# Altium PCB SVEC.pcbdoc (part 5 of 18)
Units mil, origin at the board's own origin, x right, y up, seen from the top; angles counter-clockwise.
Board outline 6349.25 x 9237.04 mil, 10 copper layers (Top Layer, L2 GND, L3, L4 PWR3.3, L5, L6, L7 GND, L8, L9 PWR, Bottom Layer), stack 58.268 mil thick; 906 components, 904 nets, 4753 pads, 3116 vias.
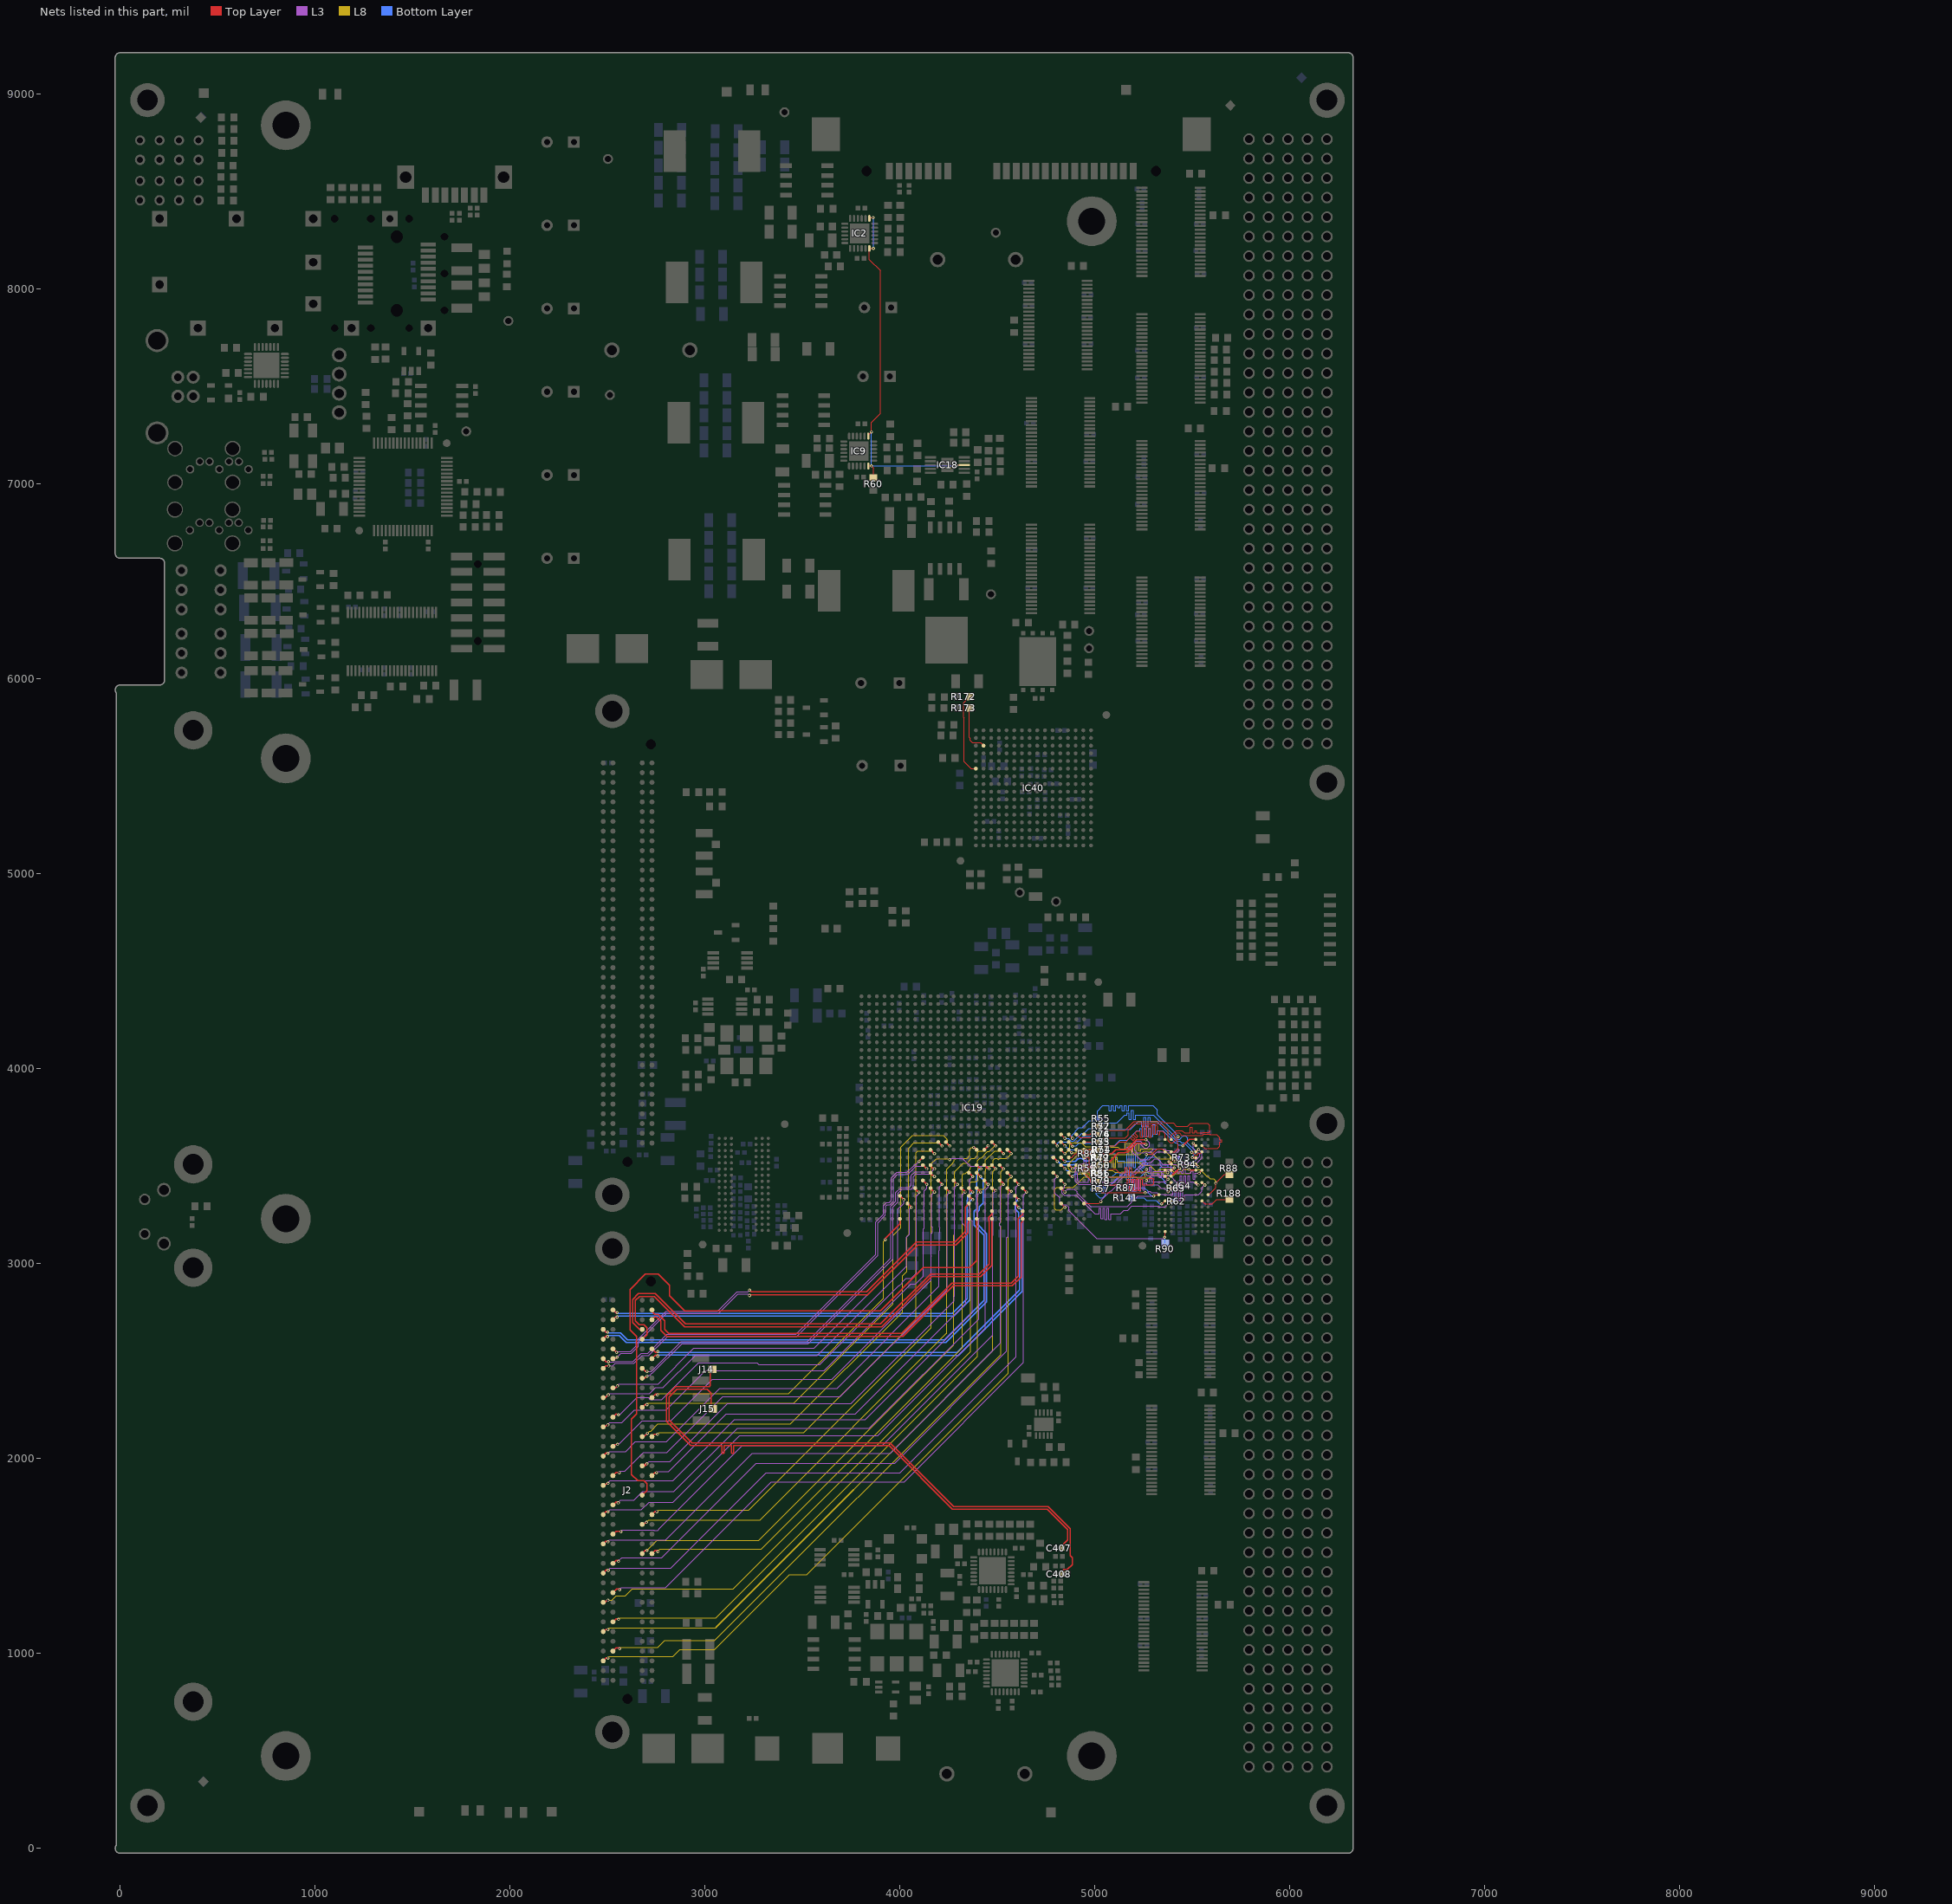
[diagram p13: the nets of this part, all layers, seen from the top]

## Via types
v1: diameter 15.75, hole 7.87, Top Layer to Bottom Layer, tented both sides, 2844 vias
v2: diameter 31.5, hole 15.75, Top Layer to Bottom Layer, tented both sides, 224 vias
v3: diameter 19.68, hole 7.87, Top Layer to Bottom Layer, tented both sides, 31 vias
v4: diameter 15.75, hole 7.87, Top Layer to Bottom Layer, 17 vias

## Nets (pads, with @x,y where several pads share a name; then routed paths per layer and width w, separated by ;. In a path a pad name is that pad's centre, name@x,y a point inside that pad or via, vN(x,y) a via of type N, cw(c..) or ccw(c..) an arc to the next point about the centre after c; other vN are vias at no path point) (continued)
DDR_CKE: IC4.K9 IC19.C4 R88.2 | length 1261.9
  Top Layer w5: IC19.C4@4826.31,3308.38 4826.31,3307.75 4845.55,3288.51 v1@4840.55,3288.51 ; IC4.K9@5580.54,3353.26 5584.31,3353.26 5619.55,3388.51 5619.55,3411.51 v1(5620.55,3412.51) 5665.06,3457.01 R88.2@5689.55,3457.01
  L8 w4: v1@4840.55,3288.51 4826.87,3274.82 4800.88,3274.82 4792.75,3282.95 4792.75,3380.7 4803.48,3391.43 4889.61,3391.43 4916.75,3418.57 4917.62,3418.57 4943.55,3444.51 5210.55,3444.51 5214.43,3440.63 5277.68,3440.63 5290.68,3453.63 5403.68,3453.63 5412.55,3462.51 5484.55,3462.51 5503.55,3481.51 5539.55,3481.51 5572.55,3448.51 5577.55,3448.51 5590.68,3435.38 5595.81,3435.38 5596.81,3436.38 5608.3,3436.38 5620.55,3424.13 v1(5620.55,3412.51)
  other v1: 4846,3288.7
DDR_CS_N: IC4.L2 R141.1 | length 190.6
  Top Layer w5: v1(5342.16,3306.02) 5342.16,3306.12 5344.55,3308.51 5346.81,3308.51 IC4.L2@5360.07,3321.77
  Bottom Layer w5: R141.1@5189.05,3337.51 5250.05,3337.51 5264.42,3323.13 5313.19,3323.13 5330.3,3306.02 v1(5342.16,3306.02)
DDR_DQ0: IC4.E3 IC19.H4 R81.1 | length 1076.5
  Top Layer w5: IC19.H4@4826.31,3505.23 4828.83,3505.23 v1@4845.55,3488.51
  Top Layer w15: v1(5379.55,3521.51) 5380.8,3521.51 IC4.E3@5391.56,3510.74
  Bottom Layer w5: v1@4845.55,3488.51 4847.25,3486.81 4855.93,3478.13 4870.55,3478.13 4878.81,3469.88 5000.46,3469.88 R81.1@5008.84,3461.51 5027.15,3443.2 5069.55,3443.2 5070.55,3444.2 ; 5069.55,3444.2 5070.55,3444.2 ; v1(5379.55,3521.51) 5391.55,3509.51 5391.55,3460.51 5383.55,3452.51 5354.55,3452.51 5334.55,3472.51 5334.55,3495.01 5374.55,3495.01 5374.55,3506.01 5334.55,3506.01 5334.55,3526.67 5313.72,3547.51 5275.55,3547.51 5272.84,3544.79 5272.84,3543.06 5255.24,3525.47 5270.85,3509.86 5263.07,3502.08 5247.47,3517.69 5239.69,3509.91 5254.16,3495.44 5246.38,3487.66 5231.91,3502.13 5224.13,3494.36 5245.74,3472.75 5237.96,3464.97 5216.35,3486.58 5196.91,3467.13 5184.05,3467.13 5184.05,3450.5 5173.05,3450.5 5173.05,3479.14 5162.05,3479.14 5162.05,3467.13 5110.49,3467.13 5087.55,3444.2 5070.55,3444.2
  other v1: 4846,3485.55
DDR_DQ1: IC4.F7 IC19.H3 R59.1 | length 1098.5
  Top Layer w6: IC19.H3@4865.68,3505.23 4868.83,3505.23 4880.55,3493.51 ; v1(5482.55,3483.51) 5486.81,3479.25 IC4.F7@5517.55,3479.25
  L8 w4: v1(4885.37,3485.55) 4897.14,3497.32 4994.73,3497.32 5016.79,3519.38 5025.55,3519.38 5025.55,3546.51 5035.55,3546.51 5035.55,3492.25 5045.55,3492.25 5045.55,3546.51 5055.55,3546.51 5055.55,3519.38 5065.55,3519.38 5065.55,3527.38 5075.55,3527.38 5075.55,3519.38 5085.55,3519.38 5085.55,3546.51 5095.55,3546.51 5095.55,3492.25 5105.55,3492.25 5105.55,3546.51 5115.55,3546.51 5115.55,3519.38 5228.23,3519.38 5243.98,3503.63 5282.98,3503.63 5310.98,3475.63 5324.13,3475.63 5331.88,3483.38 5391.23,3483.38 5403.98,3470.63 5442.13,3470.63 5455,3483.51 v1(5482.55,3483.51)
  Bottom Layer w6: v1@4885.55,3488.51 R59.1@4942.84,3488.51
DDR_DQ2: IC4.F2 IC19.J3 R80.1 | length 1100.8
  Top Layer w5: IC19.J3@4865.68,3544.6 4881.65,3544.6 4887.71,3550.66 4887.71,3551.78 4899.43,3563.51 4918.62,3563.51 4919.55,3562.57 4919.55,3563.51 4919.05,3564.01 v1@4918.55,3564.51 ; IC4.F2@5360.07,3479.25 5360.81,3479.25 v1(5372.55,3467.51)
  L8 w4: v1@4918.55,3564.51 4918.19,3564.14 4865,3510.95 4865,3486.29 4879.62,3471.67 4894.72,3471.67 4901.55,3478.51 4901.55,3489.26 4911.55,3489.26 4911.55,3460.4 4921.55,3460.4 4921.55,3489.26 4931.55,3489.26 4931.55,3460.64 4931.79,3460.88 4941.55,3460.88 4941.55,3489.26 4951.55,3489.26 4951.55,3452.56 4961.55,3452.56 4961.55,3489.26 4971.55,3489.26 4971.55,3452.56 4981.55,3452.56 4981.55,3489.26 4991.55,3489.26 4991.55,3452.56 5001.55,3452.56 5001.55,3492.77 5011.55,3492.77 5011.55,3478.51 5091.55,3478.51 5102.43,3467.63 5135.3,3467.63 5138.17,3470.51 5273.55,3470.51 5276.55,3467.51 v1(5372.55,3467.51)
  Bottom Layer w5: v1@4918.55,3563.57 4918.55,3563.64 v1@4918.55,3564.51 ; v1@4918.59,3563.54 4919.59,3562.54 4919.69,3562.64 4920.55,3563.51 R80.1@4942.84,3563.51 R80.1@4947.84,3563.51
  other v1: 4918.69,3563.64
DDR_DQ3: IC4.F8 IC19.J1 R58.1 | length 1078.4
  Top Layer w5: IC19.J1@4944.42,3544.6 4971.74,3544.6 4972.18,3544.16 4972.18,3507.42 4981.78,3497.82 5007.15,3497.82 R58.1@5012.84,3503.51 5032.54,3483.8 5106.93,3483.8 5123.6,3467.13 5156.05,3467.13 5156.05,3492.32 5167.05,3492.32 5167.05,3453.19 5178.05,3453.19 5178.05,3492.32 5189.05,3492.32 5189.05,3467.13 5249.93,3467.13 5259.93,3477.13 ; v1(5534.55,3463.51) 5534.55,3464.76 IC4.F8@5549.04,3479.25
  L3 w4: v1(5263.55,3484.51) 5263.55,3481.51 5271.55,3473.51 5279.55,3473.51 5279.55,3494.51 5289.55,3494.51 5289.55,3458.5 5299.55,3458.5 5299.55,3473.51 5358.23,3473.51 5366.6,3481.88 5379.92,3481.88 5398.3,3463.51 5413.55,3463.51 5413.55,3475.51 5416.58,3478.53 5423.55,3478.53 5423.55,3463.51 5433.55,3463.51 5433.55,3472.63 5443.55,3472.63 5443.55,3463.51 5453.55,3463.51 5453.55,3493.51 5463.55,3493.51 5463.55,3463.51 5493.55,3463.51 5493.55,3475.05 5503.55,3475.05 5503.55,3433.51 5513.55,3433.51 5513.55,3463.51 v1(5534.55,3463.51)
DDR_DQ4: IC4.H3 IC19.G3 R79.1 | length 1100
  Top Layer w5: IC19.G3@4865.68,3465.86 4865.68,3458.38 4880.55,3443.51 4880.55,3446.18 4880.55,3447.92 v1@4879.97,3448.51 ; v1@5375.32,3400.01 IC4.H3@5391.56,3416.25
  Bottom Layer w5: v1@4879.97,3448.51 4884.55,3448.51 4896.93,3460.88 4942.18,3460.88 4979.55,3423.51 R79.1@5012.84,3423.51 5006.55,3417.22 5006.55,3398.01 5043.56,3398.01 5043.56,3387.01 4979.93,3387.01 4979.93,3376.01 5043.56,3376.01 5043.56,3365.01 5006.55,3365.01 5006.55,3355.51 5023.55,3338.51 5039.55,3338.51 5052.55,3351.51 5052.55,3393.51 5063.24,3404.2 5081.24,3404.2 5118.55,3441.51 5129.05,3441.51 5129.05,3456.68 5140.05,3456.68 5140.05,3441.51 5151.05,3441.51 5151.05,3456.68 5162.05,3456.68 5162.05,3431.51 5173.05,3431.51 5173.05,3441.51 5184.05,3441.51 5184.05,3417.14 5195.05,3417.14 5195.05,3441.51 5230.81,3441.51 5246.18,3456.87 5246.18,3460.46 5254.6,3468.88 5267.86,3468.88 5275.66,3461.09 5320.97,3461.09 5356.11,3425.95 5356.11,3418.06 v1(5374.15,3400.01)
  other v1: 4885.37,3446.18
DDR_DQ5: IC4.H8 IC19.G1 R57.1 | length 1100.9
  Top Layer w5: IC19.G1@4944.42,3465.86 4980.55,3429.73 4980.55,3415.79 R57.1@5012.84,3383.51 5014.04,3383.51 5033.35,3364.2 5256.86,3364.2 v1(5257.55,3363.51) ; IC4.H8@5549.04,3416.25 5562.09,3403.2 v1(5564.25,3403.2)
  L3 w4: v1(5257.55,3363.51) 5275.55,3363.51 5275.55,3371.51 5285.55,3371.51 5285.55,3363.51 5317.09,3363.51 5325.72,3354.88 5339.19,3354.88 5351.92,3354.88 5353.67,3353.13 5400.55,3353.13 5400.55,3383.13 5410.55,3383.13 5410.55,3323.13 5420.55,3323.13 5420.55,3382.64 5430.55,3382.64 5430.55,3323.13 5440.55,3323.13 5440.55,3382.64 5450.55,3382.64 5450.55,3323.13 5460.55,3323.13 5460.55,3353.13 5531.67,3353.13 5549.18,3370.64 5549.18,3389.13 5563.25,3403.2 v1(5564.25,3403.2)
DDR_DQ6: IC4.G2 IC19.H2 R78.1 | length 1100
  Top Layer w5: IC19.H2@4905.05,3505.23 4926.77,3483.51 4955.55,3483.51 5012.84,3426.22 R78.1@5012.84,3423.51 5032.54,3403.8 5167.05,3403.8 5167.05,3432.35 5178.05,3432.35 5178.05,3375.25 5189.05,3375.25 5189.05,3432.35 5200.05,3432.35 5200.05,3375.25 5211.05,3375.25 5211.05,3432.35 5222.05,3432.35 5222.05,3375.25 5233.05,3375.25 5233.05,3432.35 5244.05,3432.35 5244.05,3403.8 5295.85,3403.8 5302.55,3410.51 5302.55,3433.51 5297.55,3438.51 5274.55,3438.51 5263.55,3427.51 v1(5263.55,3426.51) ; IC4.G2@5360.07,3447.75 v1@5374.31,3433.51
  L3 w4: v1(5263.55,3426.51) 5263.55,3427.51 5264.05,3427.01 5271.39,3419.67 5282.55,3419.67 5282.55,3442.51 5292.55,3442.51 5292.55,3419.67 5360.72,3419.67 v1(5374.55,3433.51)
DDR_DQ7: IC4.H7 IC19.H1 R56.1 | length 1120
  Top Layer w5: IC19.H1@4944.42,3505.23 4960.23,3505.23 4985.82,3479.64 4996.7,3479.64 R56.1@5012.84,3463.51 5032.15,3444.2 5190.05,3444.2 5190.05,3454.2 5201.05,3454.2 5201.05,3444.2 5255.24,3444.2 5261.55,3450.51 5261.55,3453.51 v1(5260.55,3454.51) ; IC4.H7@5517.55,3416.25 5517.55,3415.51 v1(5529.55,3403.51)
  L3 w4: v1(5260.55,3454.51) 5260.55,3451.51 5261.55,3450.51 5321.55,3450.51 5321.55,3461.98 5331.55,3461.98 5331.55,3441.6 5341.55,3441.6 5341.55,3461.98 5351.55,3461.98 5351.55,3441.88 5361.55,3441.88 5361.55,3450.51 5386.55,3450.51 5416.43,3420.63 5426.96,3420.63 5426.96,3390.63 5436.96,3390.63 5436.96,3450.63 5446.96,3450.63 5446.96,3390.63 5456.96,3390.63 5456.96,3450.63 5466.96,3450.63 5466.96,3390.63 5476.96,3390.63 5476.96,3450.63 5486.96,3450.63 5486.96,3420.63 5501.96,3420.63 5519.09,3403.51 v1(5529.55,3403.51)
DDR_DQ8: IC4.D7 IC19.M4 R77.1 | length 1089.1
  Top Layer w5: IC19.M4@4826.31,3662.71 v1(4846,3643.03)
  Top Layer w9: v1@5500.82,3542.24 IC4.D7@5517.55,3542.24
  Bottom Layer w5: v1(4846,3643.03) 4864.29,3643.02 4878.67,3628.65 4891.7,3628.65 4932.55,3669.5 4943.83,3669.5 4967.84,3693.51 5002.84,3693.51 R77.1@5012.84,3703.51 5031.84,3722.51 5113.55,3722.51 5153.55,3762.51 5164.05,3762.51 5164.05,3772.51 5175.05,3772.51 5175.05,3738.72 5186.05,3738.72 5186.05,3786.29 5197.05,3786.29 5197.05,3738.72 5208.05,3738.72 5208.05,3762.51 5299.55,3762.51 5406.55,3655.51 5406.55,3652.79 5411.18,3648.16 5411.18,3646.55 5420.6,3637.13 5436.44,3637.13 5443.18,3643.87 5443.18,3645.87 5452.19,3654.88 5464.92,3654.88 5476.55,3643.25 5476.55,3618.25 5514.93,3579.87 5514.93,3567.14 5499.55,3551.76 v1(5499.55,3543.51)
DDR_DQ9: IC4.C3 IC19.M3 R55.1 | length 1090.1
  Top Layer w5: IC19.M3@4865.68,3662.71 4866.35,3662.71 v1@4880.55,3648.51 ; IC4.C3@5390.33,3573.73 IC4.C3@5391.56,3573.73 5409.78,3573.73 5426.93,3590.88 5426.93,3609.46 5424.55,3611.83 5424.55,3651.51 5424.55,3652.51 5425.05,3653.01 5426.55,3654.51 v1(5426.55,3651.51)
  Bottom Layer w5: v1@4880.55,3648.51 4880.55,3655.84 4900.74,3676.03 4900.74,3680.14 4918.37,3697.77 4934.82,3697.77 4970.55,3733.51 5002.84,3733.51 R55.1@5012.84,3743.51 5012.84,3782.79 5040.55,3810.51 5074.05,3810.51 5074.05,3784.34 5085.05,3784.34 5085.05,3810.51 5096.05,3810.51 5096.05,3784.34 5107.05,3784.34 5107.05,3810.51 5118.05,3810.51 5118.05,3799.71 5129.05,3799.71 5129.05,3810.51 5140.05,3810.51 5140.05,3784.34 5151.05,3784.34 5151.05,3810.51 5162.05,3810.51 5162.05,3784.34 5173.05,3784.34 5173.05,3810.51 5297.55,3810.51 5319.55,3788.51 5319.55,3764.76 5416.55,3667.76 5416.55,3664.51 5426.55,3654.51 v1(5426.55,3651.51)
  other v1: 4885.37,3643.03
DDR_DQ10: IC4.C8 IC19.L5 R76.1 | length 1102.1
  Top Layer w5: IC19.L5@4786.94,3623.34 4790.72,3623.34 v1@4805.55,3608.51 ; v1(5496.55,3570.51) 5499.03,3570.51 5511.18,3558.36 5523.91,3558.36 5531.31,3565.75 5541.06,3565.75 IC4.C8@5549.04,3573.73 IC4.C8@5549.04,3572.99
  Bottom Layer w5: v1@4805.55,3608.51 4805.55,3613.51 4815.93,3623.88 4866.98,3623.88 4871.2,3619.65 4906.7,3619.65 4940.55,3653.51 5002.84,3653.51 R76.1@5012.84,3663.51 5031.47,3682.14 5068.56,3682.14 5075.55,3689.13 5182.18,3689.13 5221.55,3728.51 5241.05,3728.51 5241.05,3701.88 5252.05,3701.88 5252.05,3750.13 5263.05,3750.13 5263.05,3701.88 5274.05,3701.88 5274.05,3750.13 5285.05,3750.13 5285.05,3728.51 5316.7,3728.51 5401.18,3644.02 5401.18,3643.82 5416.87,3628.13 5436.24,3628.13 5444.36,3620.01 5457.55,3620.01 5497.55,3580 5497.55,3571.51 v1(5496.55,3570.51)
  other v1: 4806.62,3603.66
DDR_DQ11: IC4.C2 IC19.L4 R54.1 | length 1097.5
  Top Layer w5: IC19.L4@4826.31,3623.34 4841.14,3608.51 v1@4845.55,3608.51 ; v1(5263.84,3559.82) 5263.24,3559.82 5260.55,3562.51 5263.84,3562.51 5293.55,3562.51 5320.16,3589.11 5344.69,3589.11 IC4.C2@5360.07,3573.73
  Bottom Layer w5: v1(4846,3603.66) 4865.64,3584.01 4902.18,3584.01 4902.69,3583.51 R54.1@5014.01,3583.51 ; R54.1@5017.84,3583.51 5037.15,3564.2 5101.86,3564.2 5109.55,3556.51 5109.55,3535.51 5118.55,3526.51 5154.05,3526.51 5154.05,3488.14 5165.05,3488.14 5165.05,3564.87 5176.05,3564.87 5176.05,3488.14 5187.05,3488.14 5187.05,3564.87 5198.05,3564.87 5198.05,3493.64 5209.05,3493.64 5209.05,3564.87 5220.05,3564.87 5220.05,3515.64 5231.05,3515.64 5231.05,3526.51 5243.55,3526.51 5263.84,3546.79 v1(5263.84,3559.82)
DDR_DQ12: IC4.A7 IC19.L3 R75.1 | length 1100.1
  Top Layer w5: IC19.L3@4865.68,3623.34 v1@4885.55,3603.47 ; v1(5451.18,3604.63) v1@5451.55,3605.01
  Top Layer w6: v1@5451.55,3605.01 5483.27,3636.73 IC4.A7@5517.55,3636.73 ; IC4.A7@5514.55,3639.72 IC4.A7@5517.55,3636.73 ; IC4.A7@5517.77,3636.73 IC4.A7@5517.55,3636.73
  Bottom Layer w5: v1@4885.37,3603.66 4904.13,3603.66 4918.69,3618.21 5007.54,3618.21 R75.1@5012.84,3623.51 ; R75.1@5008.13,3628.21 R75.1@5012.84,3623.51 ; v1@5447.68,3608.13 5429.9,3608.13 5418.9,3619.13 5411.9,3619.13 5348.53,3682.51 5320.05,3682.51 5320.05,3663.91 5309.05,3663.91 5309.05,3712.47 5298.05,3712.47 5298.05,3652.54 5287.05,3652.54 5287.05,3693.08 5276.05,3693.08 5276.05,3652.54 5265.05,3652.54 5265.05,3692.85 5254.05,3692.85 5254.05,3652.54 5243.05,3652.54 5243.05,3692.85 5232.05,3692.85 5232.05,3682.51 5215.55,3682.51 5165.55,3632.51 5128.55,3632.51 5100.24,3604.2 5032.15,3604.2 R75.1@5012.84,3623.51
  other v1: 4884.69,3601.64
DDR_DQ13: IC4.A2 IC19.L1 R53.1 | length 1055.3
  Top Layer w5: IC19.L1@4944.42,3623.34 5012.67,3623.34 R53.1@5012.84,3623.51 5033.21,3603.13 5103.44,3603.13 5124.19,3623.88 5158.93,3623.88 5180.83,3645.78 5195.61,3631 5203.39,3638.78 5188.61,3653.56 5196.39,3661.34 5212.75,3644.97 5220.53,3652.75 5204.16,3669.12 5214.55,3679.51 5234.05,3679.51 5234.05,3649.51 5245.05,3649.51 5245.05,3709.26 5256.05,3709.26 5256.05,3649.88 5267.05,3649.88 5267.05,3709.26 5278.05,3709.26 5278.05,3649.51 5289.05,3649.51 5289.05,3709.26 5300.05,3709.26 5300.05,3663.16 5308.88,3663.16 5311.55,3665.83 5311.55,3705.51 5314.55,3708.51 5318.55,3708.51 5321.55,3705.51 5321.55,3665.32 5324.55,3662.32 5333.05,3662.32 5333.05,3679.51 5347.55,3679.51 5360.07,3666.99 IC4.A2@5360.07,3636.73
DDR_DQ14: IC4.B8 IC19.M2 R74.1 | length 1106.9
  Top Layer w5: IC19.M2@4905.05,3662.71 4922.39,3645.37 4977.42,3645.37 4995.55,3663.51 R74.1@5012.84,3663.51 5028.59,3647.75 5029.8,3647.75 5033.35,3644.2 5155.24,3644.2 5170.55,3659.51 5170.55,3668.18 5170.18,3668.55 5170.18,3683.13 5205.3,3718.25 5341.81,3718.25 5375.44,3684.62 5375.44,3631.11 5385.94,3620.6 5399.91,3620.6 5414.55,3635.25 5414.55,3643.18 5411.18,3646.55 5411.18,3660.87 5420.19,3669.88 5432.92,3669.88 5444.3,3658.51 5552.65,3658.51 5557.81,3663.67 5587.81,3663.67 5588.6,3662.88 5624.18,3662.88 5640.55,3646.51 5640.55,3635.01 5650.55,3635.01 5650.55,3624.01 5640.55,3624.01 5640.55,3601.86 5629.55,3590.86 5563.42,3590.86 IC4.B8@5549.04,3605.23 ; 5312.05,3718.25 5323.05,3718.25
DDR_DQ15: IC4.A3 IC19.M1 R52.1 | length 1072.5
  Top Layer w5: IC19.M1@4944.42,3662.71 4974.76,3662.71 4985.55,3673.51 4985.55,3698.51 4990.55,3703.51 R52.1@5012.84,3703.51 5032.84,3683.51 5155.55,3683.51 5200.55,3728.51 5349.55,3728.51 5356.93,3721.13 5401.93,3721.13 5417.93,3705.13 5475.55,3705.13 ; IC4.A3@5391.56,3636.73 5391.56,3656.51 5417.55,3682.51 5447.55,3682.51 5459.55,3670.51 5488.05,3670.51 5488.05,3700.51 5499.05,3700.51 5499.05,3670.51 5510.05,3670.51 5512.67,3673.12 5512.67,3680.96 5520.51,3680.96 ; 5476.55,3705.13 5475.55,3705.13 ; 5521.05,3680.96 5521.05,3670.51 5551.92,3670.51 5554.08,3672.67 5586.72,3672.67 5589.55,3675.51 5589.55,3708.51 5578.18,3719.88 5490.3,3719.88 5475.55,3705.13
DDR_LDM: IC4.E7 IC19.K3 R94.1 | length 1100.9
  Top Layer w5: IC19.K3@4865.68,3583.97 v1(4880.01,3569.64) v1@4881.35,3568.3
  Top Layer w9: IC4.E7@5517.55,3510.74 5517.55,3510.51 v1(5529.55,3498.51)
  L8 w4: v1@4881.55,3568.51 4903.81,3568.51 4904.68,3569.37 4904.68,3570.25 4912.81,3578.38 4926.3,3578.38 4926.77,3577.91 4931.55,3577.91 4931.55,3588.78 4941.55,3588.78 4941.55,3549.46 4951.55,3549.46 4951.55,3589.33 4961.55,3589.33 4961.55,3549.46 4971.55,3549.46 4971.55,3589.33 4981.55,3589.33 4981.55,3553.93 4991.55,3553.93 4991.55,3589.33 5001.55,3589.33 5001.55,3549.46 5011.55,3549.46 5011.55,3577.91 5048.52,3577.91 5067.55,3558.88 5231.31,3558.88 5250.31,3577.88 5282.18,3577.88 5323.18,3536.88 5385.92,3536.88 5394.93,3527.87 5394.93,3515.39 5403.19,3507.13 5520.93,3507.13 v1(5529.55,3498.51)
  Bottom Layer w9: R94.1@5490.27,3509.51 5501.27,3498.51 v1(5529.55,3498.51)
DDR_LDQS_N: IC4.G3 IC19.J4 R49.1 | length 1092
  Top Layer w6: IC19.J4@4826.31,3544.6 4826.31,3542.75 v1@4840.55,3528.51 ; IC4.G3@5391.56,3447.75 5430.32,3486.51 v1(5435.55,3486.51)
  L3 w4: v1(4987.55,3538.51) 5005.43,3520.63 5005.43,3505.1 4994.96,3494.63 4921.97,3494.63 4910.69,3483.35 4910.69,3434.51 4911.55,3433.64 4911.55,3427.51 4920.55,3418.51 4967.55,3418.51 4967.55,3429.89 4977.55,3429.89 4977.55,3418.51 5060.93,3418.51 5064.81,3414.63 5097.68,3414.63 5153.55,3470.51 5202.55,3470.51 5249.43,3517.38 5286.36,3517.38 5305.55,3536.57 5320.49,3536.57 5349.43,3507.63 5398.4,3507.63 5399.15,3508.38 5413.96,3508.38 5435.55,3486.78 v1(5435.55,3486.51)
  Bottom Layer w6: v1@4844.55,3528.51 4847.07,3525.99 4849.55,3523.51 4899.55,3523.51 4912.55,3536.51 4915.29,3536.51 4918.57,3539.79 4934.27,3539.79 4948.55,3525.51 4968.55,3525.51 4981.55,3538.51 v1(4987.55,3538.51) 5003.84,3538.51 R49.1@5007.84,3542.51
  other v1: 4846,3524.92
DDR_LDQS_P: IC4.F3 IC19.J5 R50.1 | length 1056.5
  Top Layer w6: IC19.J5@4786.94,3544.6 4789.46,3544.6 v1@4805.55,3528.51 ; IC4.F3@5391.56,3479.25 5395.29,3479.25 v1(5406.55,3490.51)
  L3 w4: v1(4987.55,3512.51) 4985.55,3510.51 4955.55,3510.51 4955.55,3540.51 4945.55,3540.51 4945.55,3510.51 4917.17,3510.51 4899.24,3492.57 4899.24,3422.85 4915.58,3406.51 5055.96,3406.51 5059.84,3402.63 5102.65,3402.63 5158.52,3458.51 5207.52,3458.51 5254.4,3505.38 5333.71,3505.38 5343.46,3495.63 5401.43,3495.63 v1(5406.55,3490.51)
  Bottom Layer w6: v1@4805.55,3528.51 4807.88,3526.18 4828.02,3506.04 4888.22,3506.04 4891.69,3509.51 4913.66,3509.51 4913.79,3509.63 4987.55,3509.63 5006.71,3509.63 R50.1@5012.84,3503.51 R50.1@5013.09,3503.51
  other v1: 4806.62,3524.92
DDR_ODT: IC4.K1 IC19.E4 R87.2 | length 718.2
  Top Layer w5: IC19.E4@4826.31,3387.12 4826.94,3387.12 v1@4845.55,3368.51 ; v1@5301.69,3346.51 5301.69,3353.26 IC4.K1@5328.57,3353.26
  L3 w4: v1@4845.55,3368.51 4859.86,3382.81 4894.25,3382.81 4909.36,3367.7 4909.36,3361.07 4977.3,3293.13 5165.55,3293.13 5218.93,3346.51 v1(5301.55,3346.51)
  Bottom Layer w5: R87.2@5189.05,3389.51 5253.3,3389.51 5272.93,3369.87 5272.93,3364.63 5289.05,3348.51 v1@5301.55,3348.51
  other v1: 4846,3367.44
DDR_RAS_N: IC4.J3 IC19.C1 R63.1 | length 1073.6
  Top Layer w5: IC19.C1@4944.42,3308.38 5020.43,3308.38 v1(5030.55,3318.51) ; v1@5378.08,3371.28 IC4.J3@5391.56,3384.76
  L3 w4: v1@5030.55,3323.53 5080.9,3373.88 ; 5082.67,3373.88 5085.21,3373.88 5115.21,3403.88 5156.55,3403.88 5156.55,3414.17 5166.55,3414.17 5166.55,3397.69 5167.69,3396.56 5167.69,3387.64 5167.74,3387.69 5176.55,3387.69 5176.55,3433.88 5186.55,3433.88 5186.55,3373.88 5196.55,3373.88 5196.55,3433.88 5206.55,3433.88 5206.55,3373.88 5216.55,3373.88 5216.55,3433.88 5226.55,3433.88 5226.55,3373.88 5236.55,3373.88 5236.55,3433.88 5246.55,3433.88 5246.55,3377.34 5256.55,3377.34 5256.55,3412.63 5266.55,3412.63 5266.55,3403.88 5322.44,3403.88 5339.19,3387.13 5355.93,3387.13 v1(5374.55,3368.51)
  Bottom Layer w5: v1@5374.55,3369.05 5381.1,3369.05 5397.55,3385.51 R63.1@5398.84,3385.51
DDR_RESET_N: IC4.T2 IC19.G5 R90.2 | length 868.2
  Top Layer w5: IC19.G5@4786.94,3465.86 v1(4806.62,3446.18) ; v1(5357.55,3135.51) 5360.07,3138.02 5360.07,3141.25 5359.18,3142.14 5359.18,3163.4 IC4.T2@5360.07,3164.29
  L3 w4: v1(4806.62,3446.18) 4792.75,3432.3 4792.75,3361.69 4800.88,3353.56 4804.49,3353.56 4820.5,3337.55 4820.5,3311.93 4829.86,3302.57 4851.74,3302.57 4866.69,3287.62 4866.69,3271.44 5009.62,3128.51 5350.55,3128.51 v1(5357.55,3135.51)
  Bottom Layer w5: v1(5357.55,3135.51) 5360.55,3132.51 R90.2@5360.55,3106
DDR_UDM: IC4.D3 IC19.K4 R73.1 | length 1100
  Top Layer w5: IC19.K4@4826.31,3583.97 4826.31,3582.75 4845.38,3563.68 v1@4845.55,3563.51 ; IC4.D3@5391.56,3542.24 5409.55,3524.25 5409.55,3523.69 5409.55,3522.51 v1(5410.74,3523.69)
  L8 w4: v1@4845.55,3563.51 4846.16,3564.12 4870.18,3588.13 4870.18,3609.87 4879.19,3618.88 4931.25,3618.88 4951.25,3598.88 5081.92,3598.88 5082.3,3598.51 5118.81,3598.51 5129.44,3587.88 5156.55,3587.88 5156.55,3616.42 5166.55,3616.42 5166.55,3568.34 5176.55,3568.34 5176.55,3616.42 5186.55,3616.42 5186.55,3568.34 5196.55,3568.34 5196.55,3616.42 5206.55,3616.42 5206.55,3568.34 5216.55,3568.34 5216.55,3616.42 5226.55,3616.42 5226.55,3576.9 5236.55,3576.9 5236.55,3587.88 5349.06,3587.88 5404.93,3532.02 5404.93,3525.13 5407.55,3522.51 5409.55,3522.51 v1(5410.74,3523.69)